# Altium PCB Audio-Streamer-Mainboard.PcbDoc (part 7 of 7)
Units mm, origin at the board's own origin, x right, y up, seen from the top; angles counter-clockwise.
Board outline 180 x 270 mm, 4 copper layers (Top Layer, VCC, GND, Bottom Layer), stack 1.62 mm thick; 653 components, 499 nets, 2423 pads, 1617 vias.
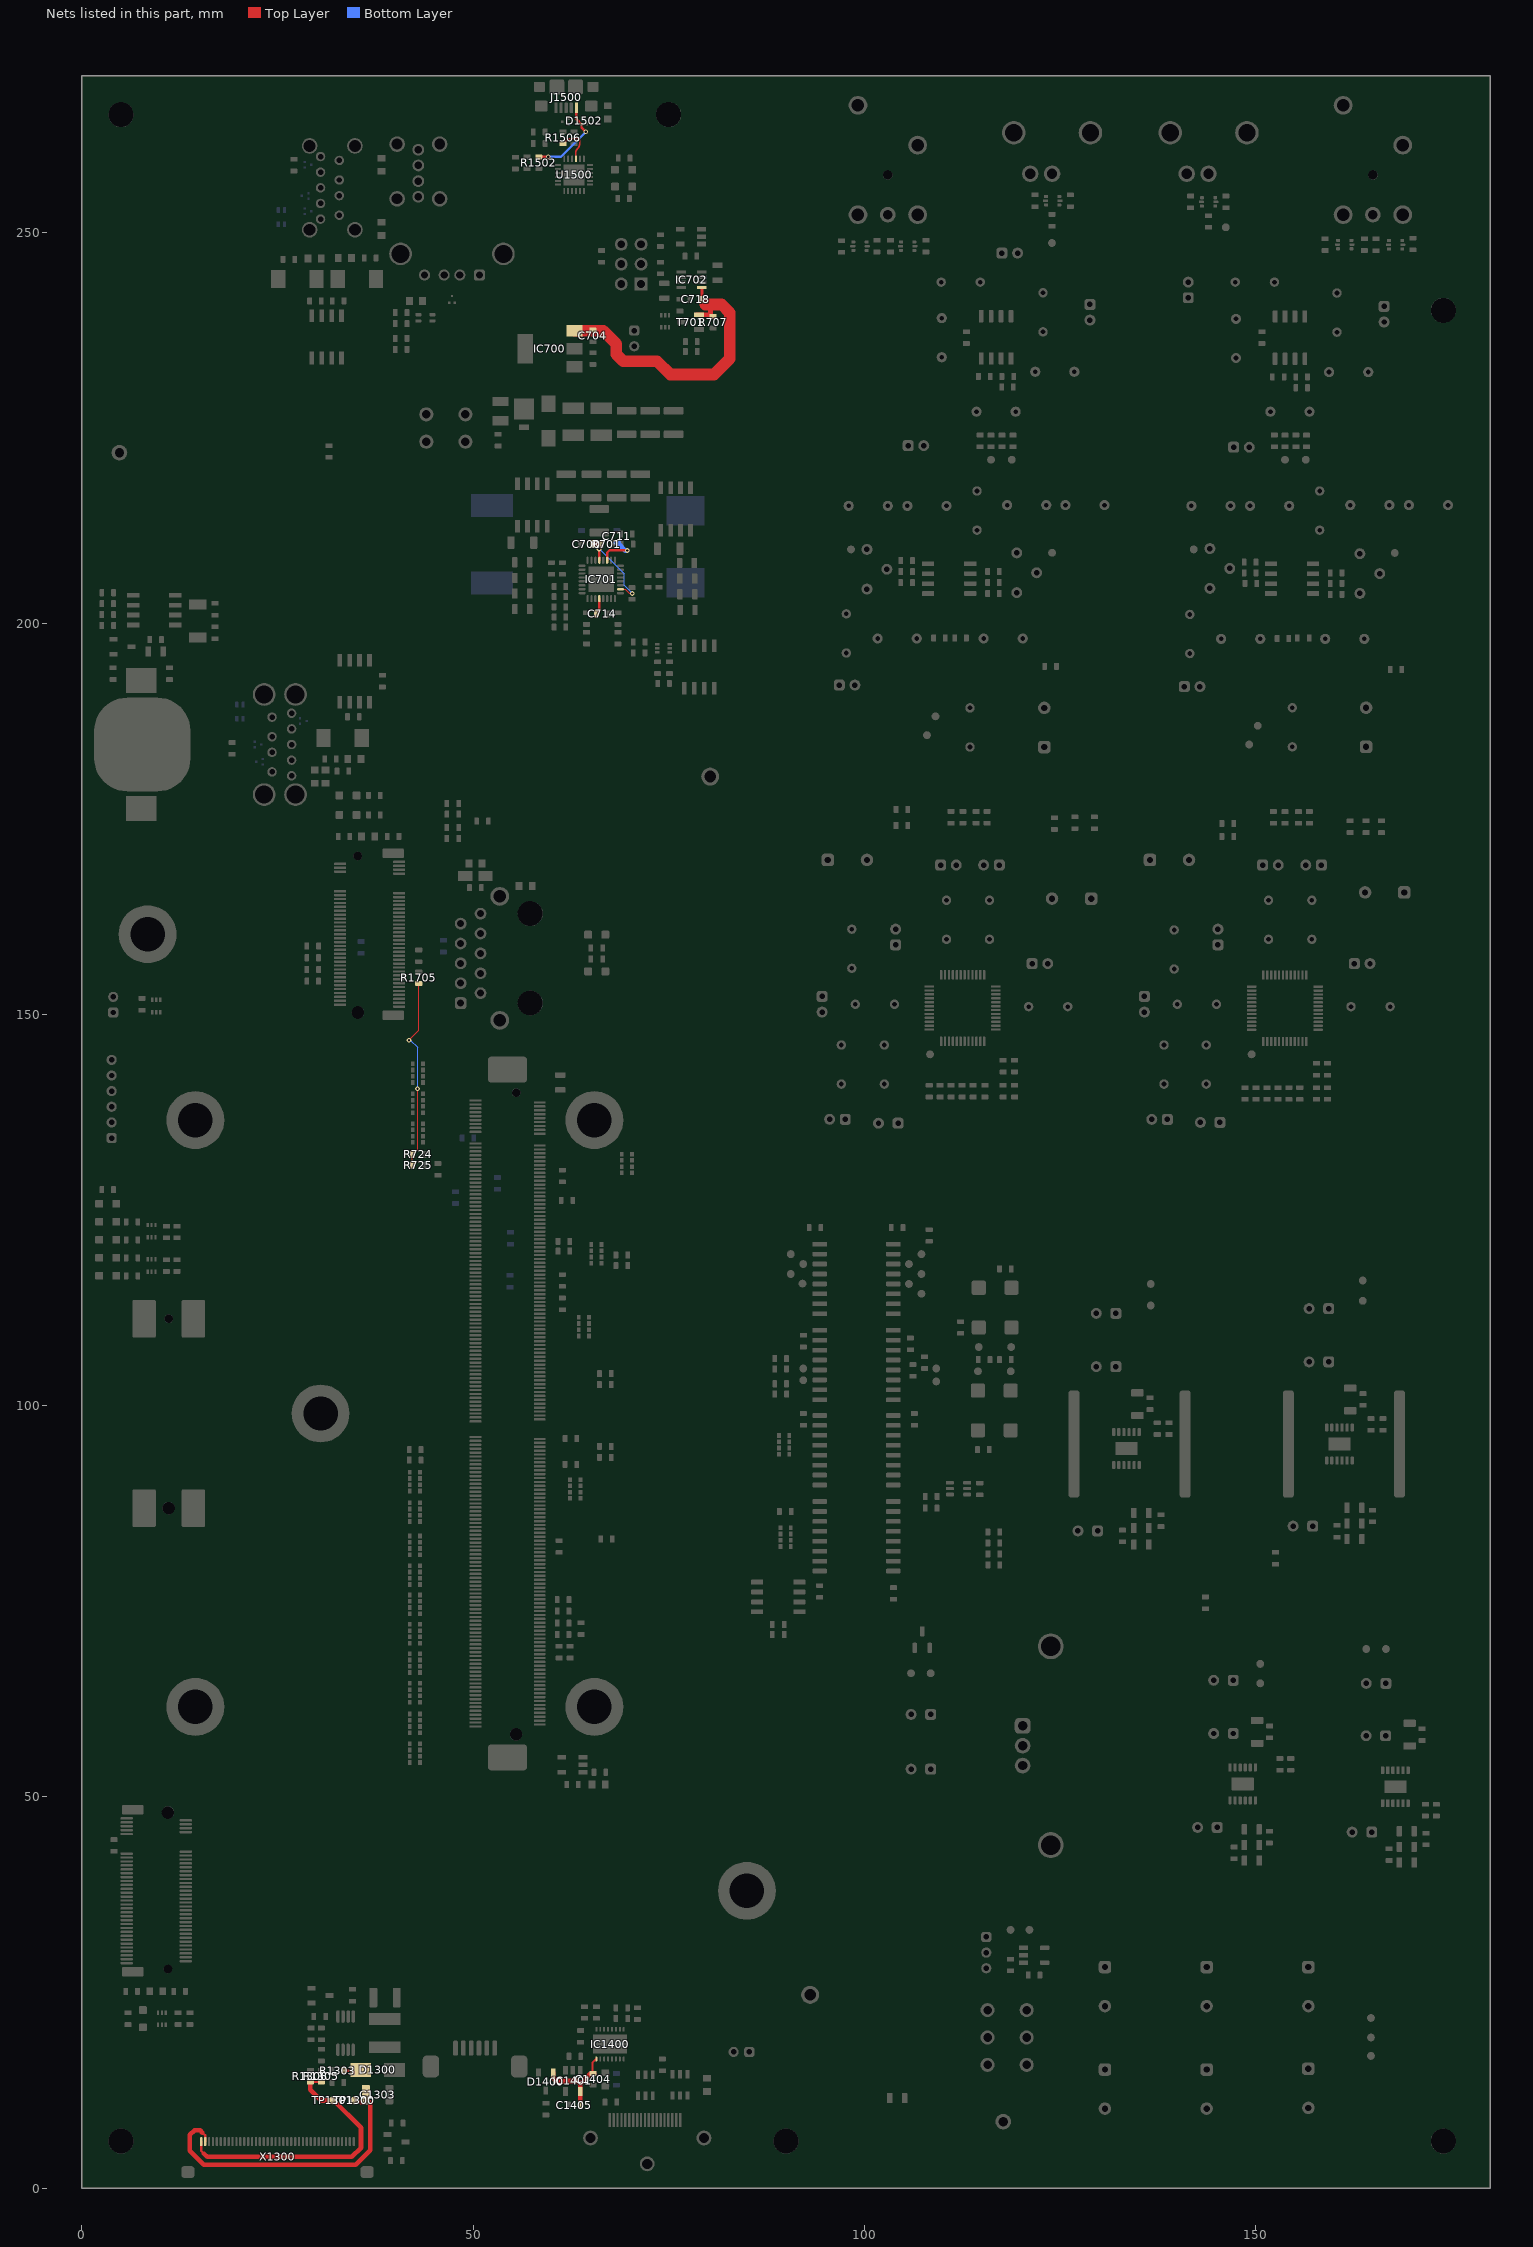
[diagram p9: the nets of this part, all layers, seen from the top]

## Via types
v1: diameter 0.6, hole 0.3, Top Layer to Bottom Layer, tented both sides, 1281 vias
v2: diameter 0.6, hole 0.3, Top Layer to Bottom Layer, 336 vias

## Nets (pads, with @x,y where several pads share a name; then routed paths per layer and width w, separated by ;. In a path a pad name is that pad's centre, name@x,y a point inside that pad or via, vN(x,y) a via of type N, cw(c..) or ccw(c..) an arc to the next point about the centre after c; other vN are vias at no path point) (continued)
VCOM_P: R1506.1 U1500.3 | length 4.9
  Top Layer w0.165: R1506.1@61.5,261.3 61.896,261.697 cw(c62.387,261.206) 62.387,261.9 63.359,261.9 cw(c63.359,261.559) 63.506,261.867 cw(c63.435,261.718) 63.6,261.717 63.6,261.183 cw(c62.917,261.183) 63.4,260.7 63.241,260.541 ccw(c63.583,260.2) 63.1,260.2 63.1,259.641 ccw(c63.441,259.641) U1500.3@63.2,259.4
VCOM_VBUS: D1502.1 J1500.1 R1502.2 | length 10.9
  Top Layer w0.3: R1502.2@58.4,259.6 v1(59.6,259.6) ; J1500.1@63.2,265.875 63.2,264.43 D1502.1@63.85,263.78 63.85,263.35 v1(64.4,262.8)
  Bottom Layer w0.3: v1(59.6,259.6) 61.2,259.6 v1(64.4,262.8)
VDD_CEC: C1404.2 C1405.2 D1400.1 IC1400.9 IC1401.5 | length 11.8
  Top Layer w0.25: C1404.2@65.5,14.65 65.575,14.65 65.25,14.975 65.25,16.005 IC1400.9@65.75,16.505
  Top Layer w0.6: D1400.1@60.25,14.765 60.25,14.051 60.601,13.7 63.3,13.7 63.7,13.3 ; C1405.2@63.7,10.605 63.7,12.1 IC1401.5@63.7,12.351 63.7,13.3 ; C1404.2@65.5,14.65 65.049,14.65 63.7,13.3
VLED_A: C1303.2 D1300.1 R1303.2 TP1300.1 X1300.2 | length 40.3
  Top Layer w0.3: 15.4,7.1 15.75,6.75 X1300.2@15.75,5.95 ; R1303.2@33.475,15.005 35.55,15.005 D1300.1@35.65,15.105
  Top Layer w0.6: 15.4,7.1 15.1,7.4 14.4,7.4 13.8,6.8 13.8,4.778 15.578,3 35,3 36.85,4.85 36.85,10.88 36.412,11.317 C1303.2@36.3,11.205 ; 35.65,11.005 36.1,11.005 C1303.2@36.3,11.205 ; C1303.2@36.3,11.955 C1303.2@36.3,11.205
VLED_K: R1305.2 R1306.2 TP1301.1 X1300.1 | length 35.8
  Top Layer w0.3: X1300.1@15.25,5.95 15.25,4.757 15.607,4.4 ; R1306.2@29.2,13.555 R1305.2@30.6,13.555
  Top Layer w0.6: 15.607,4.4 16.007,4 34.5,4 35.675,5.175 35.675,7.688 TP1301.1@32.104,11.259 ; R1306.2@29.2,13.555 29.2,12.555 30.55,11.205 TP1301.1@32.05,11.205
VREF2: C714.2 IC701.4 | length 2.1
  Top Layer w0.3: C714.2@65.75,201.2 65.75,201.35 65.9,201.5 65.954,201.5 66.129,201.676 IC701.4@66.129,203.15
VREG3: C711.2 IC701.19 | length 5.5
  Top Layer w0.3: IC701.19@67.129,208.05 67.129,209.013 67.466,209.35 69.428,209.35 69.43,209.347 69.642,209.347 v1(69.7,209.29)
  Bottom Layer w0.6: C711.2@68.379,210.35 68.529,210.35 68.529,210.2 69.439,209.29 v1(69.7,209.29)
VREG5: C700.2 IC701.10 IC701.21 R701.2 | length 12.2
  Top Layer w0.15: IC701.10@68.829,204.35 69.42,204.35 69.96,203.81 v1(70.35,203.81)
  Top Layer w0.3: IC701.21@66.129,208.05 v1@66.129,209.5 ; R701.2@66.129,209.729 66.35,209.95 R701.2@66.35,210.1
  Top Layer w0.6: C700.2@65.25,210.1 R701.2@66.35,210.1
  Bottom Layer w0.15: v1(66.1,209.5) 69.3,206.3 69.3,204.86 v1(70.35,203.81)
VSTB: C704.2 C718.2 IC700.3 IC702.1 R707.2 T701.2 | length 41.2
  Top Layer w0.4: C718.2@79.185,241.4 79.245,241.46 IC702.1@79.245,242.925
  Top Layer w0.6: IC700.3@62.95,237.382 63.05,237.482 C704.2@65.3,237.482 ; T701.2@78.535,239.434 T701.2@78.885,239.434 R707.2@80.335,239.434 ; C718.2@79.185,241.215 C718.2@79.185,241.4 ; 79.66,240.74 80.335,240.065 R707.2@80.335,239.434 ; R707.2@80.685,239.234 80.535,239.234 R707.2@80.335,239.434
  Top Layer w1.5: IC700.3@62.95,237.382 66.618,237.382 68.299,235.701 68.299,234.379 69.178,233.5 73.5,233.5 75.2,231.8 80.8,231.8 82.8,233.8 82.8,239.7 81.76,240.74 79.66,240.74
WAKE1_MICO#: R724.1 R725.2 R1705.1 | length 24.6
  Top Layer w0.15: v1(41.8,146.713) 43.05,147.963 R1705.1@43.05,153.95 ; R725.2@42.25,130.75 R724.1@42.25,132.121 42.25,132.258 42.475,132.483 42.612,132.483 42.9,132.771 v1(42.9,140.5)
  Bottom Layer w0.15: v1(41.8,146.713) 41.987,146.713 42.9,145.8 v1(42.9,140.5)
pads on no net: D1400.2 D1401.5 D1402.5 D1502.2 IC704.4 IC1001.5 IC1001.6 IC1400.2 IC1400.15 IC1401.4 J202.3 J300_A. J300_B. J301_A.0 J301_B.0 J1500.4 MECH600. RA700.1 RA700.5 RA800.1 RA800.2 RA800.5 RA800.6 RA1307.1 RA1307.2 RA1307.3 RA1307.5 RA1307.6 RA1307.7 RA1400.3 RA1400.4 RA1400.7 RA1400.8 RA1804.3 RA1804.4 RA1804.7 RA1804.8 T702.3 T702.4 T702.5 T705.3 T705.4 T705.5 T1800.3 T1800.4 T1800.5 U200.4 U301_A.10 U301_A.11 U301_A.18 U301_B.10 U301_B.11 U301_B.18 U302_A.1 U302_A.5 U302_A.7 U302_B.1 U302_B.5 U302_B.7 U400.10 U1200.3 U1200.5 U1200.6 U1500.1 U1500.7 U1500.16 U1500.17 U1500.18 U1500.19 U1500.20 U1500.21 U1500.22 U1500.23 U1500.24 VR201.7 X1. X1.12 X1.14 X1.16 X1.18 X1.59 X1.61 X1.65 X1.67 X1.71 X1.73 X1.77 X1.79 X1.83 X1.85 X1.87 X1.89 X1.91 X1.95 X1.97 X1.99 X1.101 X1.103 X1.107 X1.109 X1.113 X1.115 X1.119 X1.121 X1.123 X1.125 X1.127 X1.131 X1.133 X1.135 X1.137 X1.139 X1.143 X1.144 X1.145 X1.146 X1.148 X1.149 X1.150 X1.151 X1.154 X1.155 X1.157 X1.158 X1.159 X1.160 X1.161 X1.162 X1.163 X1.164 X1.173 X1.175 X1.177 X1.179 X1.180 X1.181 X1.183 X1.184 X1.185 X1.187 X1.190 X1.193 X1.195 X1.197 X1.202 X1.208 X1.210 X1.212 X1.214 X1.215 X1.216 X1.217 X1.252 X1.254 X1.258 X1.260 X1.264 X1.266 X1.270 X1.272 X1.276 X1.278 X1.282 X1.284 X1.288 X1.290 X1.294 X1.296 X1.300 X1.302 X1.305 X1.306 X1.307 X1.309 X1.310 X1.311 X1.312 X1.315 X1.316 X1.317 X1.318 X1.319 X1.321 X1.BE1 X1.BE2 X1100. X1300. X1300.35 X1300.37 X1300.38 X1300.39 X1300.40 X1301. X1400.14 X1600. X1600.0 X1600.5 X1600.6 X1600.7 X1600.8 X1600.11 X1600.13 X1600.17 X1600.19 X1600.20 X1600.22 X1600.23 X1600.24 X1600.25 X1600.26 X1600.28 X1600.29 X1600.30 X1600.31 X1600.32 X1600.34 X1600.35 X1600.36 X1600.37 X1600.40 X1600.42 X1600.44 X1600.46 X1600.48 X1600.50 X1600.52 X1600.53 X1600.54 X1600.55 X1600.57 X1600.58 X1600.67 X1600.68 X1600.69 X1700. X1700.0 X1700.17 X1700.19 X1700.20 X1700.21 X1700.22 X1700.23 X1700.24 X1700.25 X1700.26 X1700.27 X1700.28 X1700.29 X1700.30 X1700.31 X1700.32 X1700.34 X1700.36 X1700.38 X1700.40 X1700.42 X1700.44 X1700.46 X1700.48 X1700.50 X1700.59 X1700.61 X1700.62 X1700.64 X1700.65 X1700.66 X1700.67 X1700.68 X1700.70 X1700.71 X1700.73
copper on no net:
  other v1: 88,113.034

## Polygon pours and split planes (outlines as drawn)
GND on Top Layer "Top GND" (solid, remove dead copper, pour order 10): 98.5,0 0,0 0,270 86,270 86,128 98.5,128
AGND on Top Layer "Top Layer-AGND" (solid, remove dead copper, pour order 2): 86,270 180,270 180,0 98.5,0 98.5,128 86,128
no net on Top Layer "Top Layer-No Net" (solid, pour order 8): 74.46,233.6
no net on Top Layer "Top Layer-No Net 1" (solid, pour order 6): 74.6,233.738
GND on Bottom Layer "Bottom GND" (solid, remove dead copper, pour order 12): 98.5,0 0,0 0,270 86,270 85.5,269.5 85.5,128 98.5,128
AGND on Bottom Layer "Bottom Layer-AGND" (solid, remove dead copper, pour order 4): 85.5,270 180,270 180,0 99,0 99,128 85.5,128
3.3V_SW on VCC (split plane): 84,251.951 67.7,251.951 67.661,251.946 67.635,251.935 67.624,251.931 67.593,251.907 64.093,248.407 64.069,248.376 64.054,248.339 64.049,248.3 64.049,230.451 43.651,230.451 43.651,233.6 43.646,233.639 43.635,233.665 43.631,233.676 43.607,233.707 40.807,236.507 40.776,236.531 40.739,236.546 40.7,236.551 32.1,236.551 32.061,236.546 32.035,236.535 32.024,236.531 31.993,236.507 31.093,235.607 31.069,235.576 31.054,235.539 31.049,235.5 31.049,222.033 31.054,221.994 31.063,221.973 31.069,221.958 31.093,221.926 39.449,213.571 39.449,208.8 39.454,208.761 39.463,208.739 39.469,208.724 39.493,208.693 48.693,199.493 48.724,199.469 48.761,199.454 48.8,199.449 55.4,199.449 55.439,199.454 55.476,199.469 55.507,199.493 62.807,206.793 62.831,206.824 62.837,206.839 62.846,206.861 62.851,206.9 62.851,211.449 72.237,211.449 73.649,210.037 73.649,208.3 73.649,196.3 73.654,196.261 73.669,196.224 73.693,196.193 79.549,190.337 79.549,186.563 75.693,182.707 75.669,182.676 75.654,182.639 75.649,182.6 75.649,159.263 56.193,139.807 56.169,139.776 56.154,139.739 56.149,139.7 56.149,133.976 55.624,133.451 44.5,133.451 44.461,133.446 44.439,133.437 44.424,133.431 44.393,133.407 43.693,132.707 43.669,132.676 43.654,132.639 43.649,132.6 43.649,131.6 43.654,131.561 43.669,131.524 43.693,131.493 44.293,130.893 44.324,130.869 44.339,130.863 44.361,130.854 44.4,130.849 55.437,130.849 56.149,130.137 56.149,112.84 56.154,112.801 56.169,112.765 56.193,112.733 58.133,110.793 58.165,110.769 58.201,110.754 58.24,110.749 66.626,110.749 66.666,110.754 66.687,110.763 66.702,110.769 66.733,110.793 70.457,114.517 70.481,114.548 70.485,114.559 70.496,114.584 70.501,114.624 70.501,120.587 80.063,130.149 84,130.149 84,126.5 96.5,126.5 96.5,0.51 0.51,0.51 0.51,269.49 84,269.49
A+5V on VCC (split plane): 169.4,172.122 169.452,172.082 169.513,172.056 169.578,172.048 176.948,172.048 176.948,94.552 148.152,94.552 148.152,109.796 167.478,129.122 167.518,129.174 167.544,129.235 167.552,129.3 167.552,152.548 167.544,152.613 167.518,152.674 167.478,152.726 165.026,155.178 164.974,155.218 164.913,155.244 164.848,155.252 157.4,155.252 157.335,155.244 157.274,155.218 157.222,155.178 155.796,153.752 146.804,153.752 146.278,154.278 146.226,154.318 146.165,154.344 146.1,154.352 134.748,154.352 134.683,154.344 134.622,154.318 134.592,154.296 134.57,154.278 134.296,154.004 89.552,154.004 89.552,177.848 163.674,177.848
CHGND on VCC (split plane): 179.49,0.51 99.5,0.51 99.5,126.5 99.5,129.5 87,129.5 87,130.149 87.7,130.149 87.739,130.154 87.776,130.169 87.807,130.193 87.831,130.224 87.846,130.261 87.851,130.3 87.846,130.339 87.831,130.376 87.807,130.407 87.776,130.431 87.739,130.446 87.7,130.451 87,130.451 87,251.649 87.6,251.649 87.639,251.654 87.676,251.669 87.707,251.693 87.731,251.724 87.746,251.761 87.751,251.8 87.746,251.839 87.731,251.876 87.707,251.907 87.676,251.931 87.639,251.946 87.6,251.951 87,251.951 87,269.49 179.49,269.49
V_SUPPLY_FILT on VCC (split plane): 78.349,217.863 72.237,211.751 62.763,211.751 54.007,220.507 53.976,220.531 53.939,220.546 53.9,220.551 43.963,220.551 42.551,221.963 42.551,229.137 43.563,230.149 78.349,230.149
5V_SW on VCC (split plane): 43.349,233.537 43.349,230.363 42.293,229.307 42.269,229.276 42.254,229.239 42.249,229.2 42.249,221.9 42.254,221.861 42.263,221.839 42.269,221.824 42.293,221.793 43.793,220.293 43.824,220.269 43.861,220.254 43.9,220.249 53.837,220.249 62.549,211.537 62.549,206.963 55.337,199.751 48.863,199.751 39.751,208.863 39.751,213.633 39.746,213.672 39.737,213.694 39.731,213.709 39.707,213.74 31.351,222.096 31.351,235.437 32.163,236.249 40.637,236.249
3.3V on VCC (split plane): 84,130.451 80,130.451 79.961,130.446 79.924,130.431 79.893,130.407 70.243,120.757 70.219,120.726 70.204,120.689 70.199,120.65 70.199,114.686 66.564,111.051 58.303,111.051 56.451,112.903 56.451,130.2 56.446,130.239 56.431,130.276 56.407,130.307 55.607,131.107 55.576,131.131 55.539,131.146 55.5,131.151 44.463,131.151 43.951,131.663 43.951,132.537 44.563,133.149 55.687,133.149 55.726,133.154 55.747,133.163 55.762,133.169 55.794,133.193 56.407,133.806 56.431,133.838 56.446,133.874 56.451,133.913 56.451,139.637 75.907,159.093 75.931,159.124 75.946,159.161 75.951,159.2 75.951,182.537 79.807,186.393 79.831,186.424 79.846,186.461 79.851,186.5 79.851,190.4 79.846,190.439 79.831,190.476 79.807,190.507 73.951,196.363 73.951,208.3 73.951,210.1 73.946,210.139 73.931,210.176 73.907,210.207 72.514,211.6 78.607,217.693 78.631,217.724 78.646,217.761 78.651,217.8 78.651,230.3 78.646,230.339 78.631,230.376 78.607,230.407 78.576,230.431 78.539,230.446 78.5,230.451 64.351,230.451 64.351,248.237 67.763,251.649 84,251.649
A+12V on VCC (split plane): 103.848,259.4 103.856,259.335 103.882,259.274 103.922,259.222 103.974,259.182 104.035,259.156 104.1,259.148 122.548,259.148 122.548,246.904 116.822,241.178 116.782,241.126 116.756,241.065 116.748,241 116.748,233.6 116.756,233.535 116.782,233.474 116.822,233.422 121.948,228.296 121.948,217.104 117.672,212.828 110.996,206.152 100.9,206.152 100.835,206.144 100.774,206.118 100.744,206.096 100.722,206.078 96.522,201.878 96.482,201.826 96.456,201.765 96.448,201.7 96.448,192 96.456,191.935 96.482,191.874 96.522,191.822 98.222,190.122 98.244,190.104 98.274,190.082 98.335,190.056 98.4,190.048 109.596,190.048 112.722,186.922 112.774,186.882 112.835,186.856 112.9,186.848 134.5,186.848 134.5,259.148 154.648,259.148 154.648,233.6 154.656,233.535 154.682,233.474 154.722,233.422 159.848,228.296 159.848,211.104 151.896,203.152 142,203.152 141.935,203.144 141.874,203.118 141.822,203.078 140.522,201.778 140.482,201.726 140.456,201.665 140.448,201.6 140.448,192.16 140.456,192.095 140.482,192.034 140.522,191.982 146.682,185.822 146.734,185.782 146.795,185.756 146.86,185.748 176.1,185.748 176.165,185.756 176.226,185.782 176.278,185.822 176.948,186.491 176.948,172.552 169.683,172.552 163.957,178.278 163.904,178.318 163.844,178.344 163.778,178.352 89.552,178.352 89.552,260.548 103.848,260.548
-15V on VCC (split plane): 176.948,3.052 102.041,3.052 102.041,18.998 165.85,18.998 165.915,19.006 165.976,19.032 166.028,19.072 168.378,21.422 168.396,21.444 168.418,21.474 168.444,21.535 168.452,21.6 168.452,36.1 168.444,36.165 168.418,36.226 168.378,36.278 167.778,36.878 160.552,44.104 160.552,49.691 162.109,51.248 176.948,51.248
+15V on VCC (split plane): 170.748,84.004 167.296,80.552 151.4,80.552 151.335,80.544 151.274,80.518 151.222,80.478 140.422,69.678 140.382,69.626 140.356,69.565 140.348,69.5 140.348,56.3 140.356,56.235 140.382,56.174 140.422,56.122 145.043,51.5 145.096,51.46 145.156,51.435 145.222,51.426 154.078,51.426 154.144,51.435 154.204,51.46 154.257,51.5 155.604,52.848 156.891,52.848 160.048,49.691 160.048,44 160.056,43.935 160.082,43.874 160.122,43.822 167.422,36.522 167.948,35.996 167.948,21.704 165.746,19.502 102.041,19.502 102.041,56.748 112.296,56.748 113.922,55.122 113.944,55.104 113.974,55.082 114.035,55.056 114.1,55.048 130.548,55.048 130.548,47.3 130.556,47.235 130.582,47.174 130.622,47.122 140.122,37.622 140.174,37.582 140.235,37.556 140.3,37.548 140.365,37.556 140.426,37.582 140.478,37.622 140.518,37.674 140.544,37.735 140.552,37.8 140.544,37.865 140.518,37.926 140.478,37.978 131.052,47.404 131.052,55.3 131.052,72.9 131.044,72.965 131.018,73.026 130.978,73.078 121.552,82.504 121.552,94.048 170.748,94.048
A-12V on VCC (split plane): 176.948,51.752 162.004,51.752 161.939,51.744 161.878,51.718 161.826,51.678 160.3,50.152 157.174,53.278 157.122,53.318 157.061,53.344 156.996,53.352 155.752,53.352 155.752,64.996 162.304,71.548 176.948,71.548
A+12V on VCC (split plane): 176.948,72.052 162.2,72.052 162.135,72.044 162.074,72.018 162.022,71.978 155.322,65.278 155.282,65.226 155.256,65.165 155.248,65.1 155.248,53.204 153.974,51.93 145.326,51.93 140.852,56.404 140.852,69.396 151.504,80.048 167.4,80.048 167.465,80.056 167.526,80.082 167.578,80.122 171.178,83.722 171.218,83.774 171.244,83.835 171.252,83.9 171.252,94.048 176.948,94.048
D+3.3V on VCC (split plane): 160.048,149.196 160.048,136.504 150.796,127.252 125.6,127.252 125.535,127.244 125.492,127.226 125.474,127.218 125.451,127.201 125.422,127.178 121.122,122.878 121.082,122.826 121.056,122.765 121.048,122.7 121.048,82.4 121.056,82.335 121.082,82.274 121.122,82.222 130.548,72.796 130.548,55.552 114.204,55.552 112.578,57.178 112.526,57.218 112.465,57.244 112.4,57.252 102.041,57.252 102.041,131.778 102.032,131.844 102.007,131.904 101.967,131.957 101.915,131.997 101.854,132.022 101.788,132.03 89.552,132.03 89.552,147.574 105.026,147.574 105.091,147.583 105.152,147.608 105.204,147.648 106.404,148.848 112.8,148.848 112.865,148.856 112.926,148.882 112.978,148.922 114.404,150.348 118.196,150.348 121.222,147.322 121.244,147.304 121.274,147.282 121.335,147.256 121.4,147.248 134.886,147.248 134.951,147.256 135.012,147.282 135.064,147.322 135.861,148.119 146.771,148.119 146.837,148.128 146.897,148.153 146.95,148.193 147.486,148.729 155.482,148.729 155.547,148.738 155.608,148.763 155.66,148.803 157.304,150.448 158.796,150.448
A-12V on VCC (split plane): 133.5,187.352 113.004,187.352 109.878,190.478 109.826,190.518 109.765,190.544 109.7,190.552 98.504,190.552 96.952,192.104 96.952,201.596 101.004,205.648 111.1,205.648 111.165,205.656 111.226,205.682 111.278,205.722 118.028,212.472 122.378,216.822 122.396,216.844 122.418,216.874 122.444,216.935 122.452,217 122.452,228.4 122.444,228.465 122.418,228.526 122.378,228.578 117.252,233.704 117.252,240.896 122.978,246.622 123.018,246.674 123.044,246.735 123.052,246.8 123.052,259.148 133.5,259.148
A+3.3V on VCC (split plane): 167.048,152.443 167.048,129.404 147.722,110.078 147.682,110.026 147.656,109.965 147.648,109.9 147.648,94.552 121.552,94.552 121.552,122.596 125.704,126.748 150.9,126.748 150.965,126.756 151.026,126.782 151.078,126.822 160.478,136.222 160.518,136.274 160.544,136.335 160.552,136.4 160.552,149.3 160.544,149.365 160.518,149.426 160.478,149.478 159.078,150.878 159.026,150.918 158.965,150.944 158.9,150.952 157.2,150.952 157.135,150.944 157.074,150.918 157.044,150.896 157.022,150.878 155.377,149.234 147.382,149.234 147.316,149.225 147.256,149.2 147.226,149.177 147.203,149.16 146.667,148.624 135.757,148.624 135.692,148.615 135.631,148.59 135.601,148.567 135.579,148.55 134.781,147.752 121.504,147.752 118.478,150.778 118.426,150.818 118.365,150.844 118.3,150.852 114.3,150.852 114.235,150.844 114.174,150.818 114.122,150.778 112.696,149.352 106.3,149.352 106.235,149.344 106.174,149.318 106.144,149.296 106.122,149.278 104.922,148.078 89.552,148.078 89.552,153.5 134.4,153.5 134.465,153.509 134.526,153.534 134.578,153.574 134.852,153.848 145.996,153.848 146.522,153.322 146.551,153.299 146.574,153.282 146.592,153.274 146.635,153.256 146.7,153.248 155.9,153.248 155.965,153.256 156.026,153.282 156.078,153.322 157.504,154.748 164.743,154.748
A-12V on VCC (split plane): 176.948,187.198 176.922,187.178 175.996,186.252 146.964,186.252 140.952,192.264 140.952,201.496 142.104,202.648 152,202.648 152.065,202.656 152.126,202.682 152.178,202.722 160.278,210.822 160.318,210.874 160.344,210.935 160.352,211 160.352,228.4 160.344,228.465 160.318,228.526 160.278,228.578 155.152,233.704 155.152,259.148 176.948,259.148
GND on GND (split plane): 84,126.5 96.5,126.5 96.5,0.51 0.51,0.51 0.51,269.49 84,269.49
CHGND on GND (split plane): 179.49,0.51 99.5,0.51 99.5,126.5 99.5,129.5 87,129.5 87,269.49 179.49,269.49
AGND on GND (split plane): 103.848,259.4 103.856,259.335 103.882,259.274 103.922,259.222 103.974,259.182 104.035,259.156 104.1,259.148 133.5,259.148 133.5,160 134.5,160 134.5,259.148 176.948,259.148 176.948,3.052 102.041,3.052 102.041,25.948 122.8,25.948 122.865,25.956 122.926,25.982 122.978,26.022 128.104,31.148 159.8,31.148 159.865,31.156 159.926,31.182 159.978,31.222 160.018,31.274 160.044,31.335 160.052,31.4 160.044,31.465 160.018,31.526 159.978,31.578 159.926,31.618 159.865,31.644 159.8,31.652 128,31.652 127.935,31.644 127.874,31.618 127.822,31.578 122.696,26.452 102.041,26.452 102.041,131.778 102.041,131.788 102.032,131.854 102.007,131.915 101.967,131.967 101.915,132.007 101.854,132.032 101.788,132.041 101.723,132.032 101.719,132.03 89.552,132.03 89.552,147.548 105,147.548 105.065,147.556 105.126,147.582 105.178,147.622 106.404,148.848 110.9,148.848 110.965,148.856 111.026,148.882 111.078,148.922 111.118,148.974 111.144,149.035 111.152,149.1 111.144,149.165 111.118,149.226 111.078,149.278 111.026,149.318 110.965,149.344 110.9,149.352 106.3,149.352 106.235,149.344 106.174,149.318 106.122,149.278 104.896,148.052 89.552,148.052 89.552,260.548 103.848,260.548

## Keep-outs
Bottom Layer:
  lines w0.3: 106.7,149.1 112.8,149.1 114.3,150.6 118.3,150.6 121.318,147.582 121.318,147.5 ; 148.3,149 155.427,149 157.127,150.7 158.924,150.7 160.3,149.324 160.3,147.5
Keep-Out Layer:
  circle w0.1: c174,6 r3
  circle w0.1: c174,240 r3
  circle w0.1: c75,265 r3
  circle w0.1: c5,265 r3
  circle w0.1: c5,6 r3
  circle w0.1: c90,6 r3
  region: 99.35,126.5 99.35,129.35 84,129.35 84,126.5
  rectangle: 96.5,0 99.35,129.35
  rectangle: 84,126.5 86.85,270
  lines w0.3: 89.4,147.8 105.213,147.8 106.513,149.1 107.2,149.1 ; 121.218,147.6 121.318,147.5 134.886,147.5 135.757,148.371 146.771,148.371 147.4,149 148.3,149
  lines w0.5: 140.3,37.8 130.8,47.3 130.8,72.9 121.3,82.4 121.3,122.7 125.6,127 150.9,127 160.3,136.4 160.3,148 ; 0,0 180,0 180,270 0,270 0,0

## Other copper
Top Layer:
  rectangle net GND: 38.8,10.605 42,13.43
  rectangle net GND: 34.475,20.105 36.1,22.855
  rectangle net GND: 41.7,10.605 43.3,25.7
  rectangle net GND: 39.75,23.005 42.45,25.718
  rectangle net GND: 28.871,184.05 31.771,186.65
  rectangle net GND: 23.1,242.7 26,245.3
  region net GND: 29.67,240.3 28,240.3 28,238.4 29.67,238.4
  rectangle net GND: 35.6,242.7 38.5,245.3
  rectangle net GND: 56.6,200.7 58.624,208.576
  rectangle net GND: 53.5,233.082 57.7,237
  rectangle net GND: 57.2,208.45 58.5,211.25
  rectangle net GND: 60.3,213.4 73.1,217.4
  rectangle net GND: 71.9,200.1 76.2,203.81
  rectangle net GND: 75.7,200.1 77.2,210.4
  rectangle net GND: 65,222.3 78.5,225.8
  rectangle net 5V_SW: 32.9,232.9 35.6,234.8
  rectangle net 3.3V_mSATA1: 11.9,28.7 14.1,29.7
  rectangle net 3.3V_mSATA1: 12,46.3 14.1,47.2
  rectangle net 3.3V_mSATA1: 11.8,31.3 14.1,33.2
  rectangle net 3.3V_SW: 60.8,259.3 62.225,259.8
  rectangle net 3.3V_SW: 74.324,187.4 76.9,191.3
  rectangle net 3.3V_SW: 76.4,187.4 81.4,192.9
  rectangle net NetIC701_23: 54,209.49 56.1,213.3
  rectangle net NetC719_1: 55.1,213.6 58.6,216.6
  rectangle net NetIC701_18: 72.669,208.7 74.3,212.8
  rectangle net V_SUPPLY_FILT: 64.7,211 67.61,213
  rectangle net 3.3V: 77.8,196 83.5,209.1
  rectangle net NetC705_1: 73.46,213.1 79.6,216.1
  rectangle net NetC705_1: 73.5,215.2 75.8,218.3
  rectangle net 5V_SW: 49.5,200.7 55.9,209.2
  rectangle net NetC719_1: 49.7,216.2 57.3,219.5
  rectangle net V_SUPPLY_FILT: 57.8,216.9 60,218.8
  rectangle net V_SUPPLY_FILT: 76,216.4 78.5,219.2
  rectangle net PWR_IN: 43,224.9 51.7,228.5
  rectangle net GND_IN: 55.1,222.3 64.3,225.5
  rectangle net NetD601_1: 52.2,227.3 55.5,230.3
  rectangle net NetD601_1: 55.1,226 64.4,230.3
  rectangle net V_SUPPLY_FILT: 72.4,218.5 78.5,222
  rectangle net V_SUPPLY_FILT: 65,226.6 78.5,230.3
  rectangle net V_SUPPLY_FILT: 57.8,217.9 72.744,222
  rectangle net AGND: 133.975,100.42 137.175,108.32
  rectangle net AGND: 128.873,106.22 134.275,108.32
  rectangle net AGND: 127.275,93.22 130.975,105.31
  rectangle net AGND: 154,81 155.8,85.5
  rectangle net AGND: 154.5,93.8 158.2,105.89
  rectangle net AGND: 156.098,106.8 161.5,108.9
  rectangle net AGND: 161.2,101 164.4,108.9
  rectangle net AGND: 160.414,52.447 165.314,58.2
  rectangle net AGND: 168.614,58.247 171.814,60.547
  rectangle net AGND: 163.514,58.897 171.814,61.047
  rectangle net A+12V: 145.706,64.2 149.181,72.4
  rectangle net AGND: 144,59.25 152.3,61.4
  rectangle net AGND: 149.1,58.6 152.3,60.9
  rectangle net AGND: 140.9,52.8 145.8,58.6
  rectangle net CHGND: 101.3,10.25 103.8,12.8
  rectangle net A+12V: 141.986,70.7 146.3,74.5
  rectangle net +15V: 128.825,79.92 134.875,83.02
  rectangle net AGND: 135.991,81.254 138.691,85.054
  rectangle net NetC231_1: 135.991,85.579 138.691,87.054
  rectangle net AGND: 128.825,93.22 138.125,95.82
  rectangle net NetC221_P: 151.45,80.95 153.7,87
  rectangle net NetC221_P: 151.45,85.812 156.4,87.94
  rectangle net +15V: 156.1,80.5 162.1,83.6
  rectangle net AGND: 163.216,81.834 165.916,85.634
  rectangle net NetC224_1: 163.216,86.159 165.916,87.634
  rectangle net NetC203_1: 150.093,45.062 152.793,46.537
  rectangle net NetC216_1: 169.9,44.825 172.6,46.3
  rectangle net AGND: 150.093,40.737 152.793,44.537
  rectangle net +15V: 145.593,37.837 148.918,42.537
  rectangle net -15V: 165.4,37.6 168.725,42.3
  rectangle net AGND: 169.9,40.5 172.6,44.3
  rectangle net AGND: 156.05,93.8 165.35,96.4
  rectangle net AGND: 140.8,44.706 143.7,52.905
  rectangle net AGND: 160.6,44.4 163.5,52.6
  rectangle net AGND: 143.686,50.353 152.986,52.953
  rectangle net AGND: 163.2,50 172.5,52.6
  rectangle net A+12V: 170.1,74.1 177,179.8
  region net CHGND: 179.43,269.5 87,269.5 87,267.5 179.43,267.5
  region net CHGND: 89,129.57 89,269.5 87,269.5 87,129.57
  region net CHGND: 101.5,131.5 87,131.5 87,129.5 101.5,129.5
  region net CHGND: 101.5,0.57 101.5,131.5 99.5,131.5 99.5,0.57
  rectangle net CHGND: 99.5,0.5 179.5,2.5
  rectangle net CHGND: 177.5,0.5 179.5,269.5
  region: 76.625,244.225
  region: 28.75,158.75
  region: 91.7,73.645
  region net 3.3V_SW: 34.175,21.1 34.275,21.2 34.275,23.1 36.3,23.1 36.3,20.755 40.8,20.755 40.8,22.5 38.5,22.5 38.5,25.9 35.5,25.9 35.5,24.847 35.153,24.5 34.195,24.5 33.8,24.105 33.8,21.2 33.9,21.1
  region net VLED_A: 37.1,10.83 37.1,16.005 36.9,16.205 34.35,16.205 34.2,16.055 34.2,10.805 34.4,10.605 36.92,10.605
  region: 36.9,11.105
  region net DCDC_SW_B: 34.4,16.855 37.98,16.855 38.25,16.585 38.25,14.305 38.75,13.805 41.5,13.805 41.5,19.105 34.4,19.105
  pour cut-out: 72.952,217.4 75.6,214.752 76.897,214.752 78.5,213.149 78.5,200.85 77.35,199.7 71.445,199.7 69.7,201.445 69.655,201.4 63.5,201.4 63.5,198.95 62.6,198.05 57.35,198.05 56.2,199.2 56.2,200.3 54,202.5 54,213.3 54.8,213.3 55.9,214.4 55.9,219.5 72.952,219.5
  region net GND: 68,207.7 68.129,207.7 68.285,207.7 71.35,207.7 72.3,208.65 72.3,208.877 72.46,209.037 72.46,212.96 72.9,213.4 72.9,213.6 68,213.6 68,212.699 68.299,212.4 70.46,212.4 71.089,211.77 71.089,208.69 70.7,208.3 68.75,208.3 68.55,208.5 68.1,208.5 68,208.4
  region net GND: 64.403,213.6 60.3,213.6 60.3,209.65 61.65,208.3 62.6,208.3 63.2,207.7 64.4,207.7 64.5,207.6 64.7,207.6 64.8,207.7 64.8,208.4 64.7,208.5 63.6,208.5 62.4,209.7 62.4,210.424 62.876,210.9 63.726,210.9 64.4,211.574
  region net GND_IN: 43,224.5 50.9,224.5 52.1,223.3 54.36,223.3 55.674,224.614 55.674,222.424 54.85,221.6 43,221.6
  region net PWR_IN: 51,226.9 54.7,226.9 54.7,224.3 54.1,223.7 52.4,223.7 51,225.1 51,225.2
  pour cut-out: 134.5,267.2 134.5,147.552 133.5,147.552 133.5,267.2
  pour cut-out: 107.319,156.018 117.819,156.018 117.819,145.518 107.319,145.518
  pour cut-out: 148.5,156 159,156 159,145.5 148.5,145.5
  pour cut-out: 128.425,108.66 137.525,108.66 137.525,97.22 136.525,96.22 136.525,93.62 135.32,92.414 129.331,92.414 128.825,92.92 128.825,104.12 128.425,104.52
  pour cut-out: 155.7,109.24 164.8,109.24 164.8,97.8 163.8,96.8 163.8,94.2 162.595,92.995 156.606,92.995 156.1,93.5 156.1,104.7 155.7,105.1
  region net A+3.3V: 131.2,109.663 137.7,109.663 137.7,113.063 137.7,113.813 131.2,113.813
  region net A+3.3V: 131.139,106.02 133.239,106.02 133.239,98.417 132.739,97.917 132.739,96.067 131.139,96.067
  region net NetC236_1: 134.275,96.12 134.275,97.52 133.975,97.82 133.975,99.92 137.175,99.92 137.175,98.57 136.025,97.42 134.975,97.42 134.691,97.136 134.691,96.12
  region net NetC227_1: 161.5,96.7 161.5,98.1 161.2,98.4 161.2,100.5 164.4,100.5 164.4,99.15 163.25,98 162.2,98 161.916,97.716 161.916,96.7
  region net A+5V: 158.364,106.6 160.464,106.6 160.464,98.997 159.964,98.497 159.964,96.647 158.364,96.647
  pour cut-out: 163.314,61.247 172.009,61.247 172.019,61.237 172.019,50.178 172.05,50.147 170.726,50.147 169.626,49.047 163.814,49.047 163.814,45.387 163.757,45.33 162.914,45.33 162.914,57.847 163.314,58.247
  pour cut-out: 143.8,61.6 152.495,61.6 152.505,61.59 152.505,50.531 152.536,50.5 151.213,50.5 150.113,49.4 144.3,49.4 144.3,45.74 144.243,45.684 143.4,45.684 143.4,58.2 143.8,58.6
  region net A-12V: 165.514,58.732 167.614,58.732 167.614,55.197 167.114,54.697 167.114,52.847 165.514,52.847
  region net NetC219_1: 168.614,57.647 171.814,57.647 171.814,55.401 170.76,54.347 169.314,54.347 169.064,54.097 169.064,52.847 168.614,52.847
  region net NetC206_1: 149.125,58 152.3,58 152.3,55.754 151.246,54.7 149.8,54.7 149.55,54.45 149.55,53.25 149.125,53.25
  region net A+12V: 146,59.085 148.1,59.085 148.1,55.55 147.6,55.05 147.6,53.2 146,53.2
  region net A+12V: 145.786,67.855 152.031,74.1 171.5,74.1 171.5,83.8 171.6,83.9 170.925,83.9 167.325,80.3 151.4,80.3 141.986,70.886 141.986,67.855
  region net A+5V: 158.4,110.263 164.9,110.263 164.9,113.663 164.9,114.413 158.4,114.413
  region net NetC228_P: 129.1,87.7 125.5,87.7 123.3,85.5 123.3,81.05 129.45,74.9 144.65,74.9 144.65,77.95 144.3,78.3 129.8,78.3 126,82.1 126,84.7 126.7,85.4 129.1,85.4
  region net NetC228_P: 131.675,92.92 133.325,92.92 133.375,92.87 133.375,88.62 134.841,87.154 134.841,83.72 131.425,83.72 130.975,83.27 128.875,83.27 128.875,92.92
  region net NetC228_P: 134.841,85.704 134.841,83.72 134.691,83.72 132.65,83.72 132.516,83.854 132.516,85.704
  region net AGND: 169.4,58.6
  region net NetC221_P: 158.9,93.5 160.55,93.5 160.6,93.45 160.6,89.2 162.066,87.734 162.066,84.3 158.65,84.3 158.2,83.85 156.1,83.85 156.1,93.5
  region net NetC221_P: 162.066,86.284 162.066,84.3 161.916,84.3 159.875,84.3 159.741,84.434 159.741,86.284
  region net NetC200_P: 148.943,45.187 148.943,43.203 148.793,43.203 146.752,43.203 146.618,43.337 146.618,45.187
  region: 169.9,41
  region net NetC213_P: 168.75,44.95 168.75,42.966 168.6,42.966 166.559,42.966 166.425,43.1 166.425,44.95
  region net A+12V: 170.2,172.4 170.005,172.4 167.049,175.356 167.049,178.349 168.5,179.8 170.225,179.8
  region net NetC200_P: 148.23,50.05 148.23,46.605 148.95,46.605 149.05,46.506 149.05,45.256 148.8,45.006 144.678,45.006 144,45.684 144,49.58 144.47,50.05
  region net NetC213_P: 167.1,49.7 167.1,47 167.8,46.3 168.65,46.3 168.75,46.2 168.75,44.95 168.5,44.7 164.378,44.7 163.7,45.378 163.7,49.275 164.125,49.7
  region net AGND: 168.85,193.644 169.199,193.3 170.531,193.3 170.75,193.519 170.75,194.684 170.465,194.969 169.275,194.969 168.85,194.544
  region net AGND: 124.7,194.05 125.132,193.625 126.3,193.625 126.6,193.925 126.6,195.09 126.315,195.375 125.125,195.375 124.7,194.95
  region net A+5V: 105.7,175.75 106.132,175.325 107.3,175.325 107.6,175.625 107.6,176.79 107.315,177.075 106.125,177.075 105.7,176.65
  region net AGND: 105.7,173.7 106.132,173.275 107.3,173.275 107.6,173.575 107.6,174.74 107.315,175.025 106.125,175.025 105.7,174.6
  region net A+5V: 128.95,173.6 128.525,173.168 128.525,172 128.825,171.7 129.99,171.7 130.275,171.985 130.275,173.175 129.85,173.6
  region net A+5V: 127.35,175.4 127.775,175.832 127.775,177 127.475,177.3 126.31,177.3 126.025,177.015 126.025,175.825 126.45,175.4
  region net AGND: 124.74,175.3 125.165,175.732 125.165,176.9 124.865,177.2 123.7,177.2 123.415,176.915 123.415,175.725 123.84,175.3
  region net A+5V: 164.575,174.9 165,175.332 165,176.5 164.7,176.8 163.535,176.8 163.25,176.515 163.25,175.325 163.675,174.9
  region net AGND: 162.05,174.444 161.75,174.444 161.306,174 160.15,174 160.032,174.118 160.032,175.325 160.25,175.544 162.05,175.544 162.55,175.044 162.55,174.655
  region net A+5V: 166.15,173.556 166.45,173.556 166.894,174 168.05,174 168.168,173.882 168.168,172.675 167.95,172.456 166.15,172.456 165.65,172.956 165.65,173.345
  region net A+5V: 147.275,174.85 147.425,175 148.981,175 149.181,174.8 149.181,173.6 148.981,173.4 147.472,173.4 146.9,173.972 146.9,174.4
  region net AGND: 146.9,172.7 146.9,172.4 146.456,171.956 146.456,170.8 146.575,170.682 147.782,170.682 148,170.9 148,172.7 147.5,173.2 147.111,173.2
Bottom Layer:
  rectangle net 5V_SW: 49.5,200.7 55.3,203.2
  rectangle net 3.3V: 74.6,202.2 82.2,208.2
  rectangle net 5V_SW: 49.5,203.6 55.3,209.6
  rectangle net NetC719_1: 49.5,213.5 55.3,219.5
  rectangle net A-12V: 167.7,179.7 170.9,182
  rectangle net A-12V: 170.1,67 177,191.9
  rectangle net CHGND: 177.5,0.5 179.5,269.5
  rectangle net CHGND: 99.5,0.5 177.5,2.5
  region net CHGND: 101.5,0.57 101.5,131.5 99.5,131.5 99.5,0.57
  region net CHGND: 101.5,131.5 87,131.5 87,129.5 101.5,129.5
  region net CHGND: 89,129.57 89,269.5 87,269.5 87,129.57
  region net CHGND: 179.43,269.5 87.5,269.5 87.5,267.5 179.43,267.5
  pour cut-out: 133.5,267.194 134.5,267.194 134.5,147.5 133.5,147.5
  region net A-12V: 133.5,192.2 133.5,183.8 134.2,183.1 165.3,183.1 170.1,187.9 170.1,191.9 177,191.9 177,188.3 165.6,176.9 128.5,176.9 125.7,179.7 125.7,192.2
VCC (plane layer: these items are gaps in the copper):
  region: 55.058,209.175 49.958,209.175 49.958,207 55.058,207
  rectangle: 79.6,202.6 81.8,207.7
  rectangle: 133.5,186.848 134.5,259.3
  rectangle: 84,126.5 87,270
  rectangle: 84,126.5 99.5,129.5
  rectangle: 96.5,0 99.5,129.5
  lines w0.3: 64.2,230.3 64.2,248.3 67.7,251.8 87.6,251.8 ; 87.7,130.3 80,130.3 70.35,120.65 70.35,114.624 66.626,110.9 58.24,110.9 56.3,112.84 56.3,130.2 55.5,131 44.4,131 43.8,131.6 43.8,132.6 44.5,133.3 55.687,133.3 56.3,133.913 56.3,139.7 75.8,159.2 75.8,182.6 79.7,186.5 79.7,190.4 73.8,196.3 73.8,208.3 73.8,210.1 72.3,211.6 ; 43.5,230.3 43.5,233.6 40.7,236.4 32.1,236.4 31.2,235.5 31.2,222.033 39.6,213.633 39.6,208.8 48.8,199.6 55.4,199.6 62.7,206.9 62.7,211.6 ; 43.5,230.3 42.4,229.2 42.4,221.9 43.9,220.4 53.9,220.4 62.7,211.6 ; 43.5,230.3 78.5,230.3 78.5,217.8 72.3,211.6 ; 62.7,211.6 72.3,211.6
  lines w0.5: 89.3,153.5 89.3,153.752 134.4,153.752 134.748,154.1 146.1,154.1 146.7,153.5 155.9,153.5 157.4,155 164.848,155 167.3,152.548 167.3,129.3 147.9,109.9 147.9,94.3 ; 89.3,174.7 89.3,178.1 141,178.1 163.778,178.1 169.578,172.3 177.2,172.3 ; 89.4,147.826 95.326,147.826 105.026,147.826 106.3,149.1 112.8,149.1 114.3,150.6 118.3,150.6 121.4,147.5 134.886,147.5 135.757,148.371 146.771,148.371 147.382,148.982 155.482,148.982 157.2,150.7 158.9,150.7 160.3,149.3 160.3,136.4 150.9,127 125.6,127 121.3,122.7 121.3,82.4 130.8,72.9 130.8,55.3 ; 101.788,57 112.4,57 114.1,55.3 130.8,55.3 ; 101.838,19.25 165.85,19.25 168.2,21.6 168.2,36.1 167.6,36.7 160.3,44 160.3,49.796 ; 121.3,94.3 147.9,94.3 ; 122.8,259.4 122.8,246.8 117,241 117,233.6 122.2,228.4 122.2,217 117.85,212.65 111.1,205.9 100.9,205.9 96.7,201.7 96.7,192 98.4,190.3 109.7,190.3 112.9,187.1 133.8,187.1 ; 140.3,37.8 130.8,47.3 130.8,55.3 ; 154.9,259.4 154.9,233.6 160.1,228.4 160.1,211 152,202.9 142,202.9 140.7,201.6 140.7,192.16 146.86,186 176.1,186 177.1,187 ; 177.2,51.5 162.004,51.5 160.3,49.796 ; 177.2,71.8 162.2,71.8 155.5,65.1 155.5,53.1 ; 177.2,94.3 171,94.3 ; 147.9,94.3 171,94.3 ; 155.5,53.1 156.996,53.1 160.3,49.796 ; 155.5,53.1 154.078,51.678 146,51.678 145.222,51.678 140.6,56.3 140.6,69.5 151.4,80.3 167.4,80.3 171,83.9 171,94.3 ; 89.3,131.778 89.3,260.8 104.1,260.8 104.1,259.4 177.2,259.4 177.2,2.8 101.788,2.8 101.788,131.778 89.3,131.778
GND (plane layer: these items are gaps in the copper):
  rectangle: 133.5,160 134.5,259.3
  rectangle: 96.5,0 99.5,129.5
  rectangle: 84,126.5 99.5,129.5
  rectangle: 84,126.5 87,270
  lines w0.3: 62.1,199.4 62.1,211.6 63.1,212.6 ; 63,212.6 70.4,212.6 70.8,212.2 70.8,199.4
  lines w0.5: 89.3,148.2 89.3,147.8 105,147.8 106.3,149.1 110.9,149.1 ; 101.788,26.2 122.8,26.2 128,31.4 159.8,31.4 ; 101.788,131.788 101.788,131.778 ; 112.833,149.133 114.3,150.6 118.3,150.6 121.4,147.5 134.886,147.5 135.757,148.371 146.771,148.371 147.4,149 153.252,149 ; 140.3,37.8 130.8,47.3 130.8,72.9 121.3,82.4 121.3,122.7 125.6,127 150.9,127 160.3,136.4 160.3,149.3 158.9,150.7 157.2,150.7 155.5,149 ; 101.788,131.778 101.788,2.8 177.2,2.8 177.2,259.4 104.1,259.4 104.1,260.8 89.3,260.8 89.3,131.778 101.788,131.778

## Silkscreen, mask and mechanical layers (free items; w line width, h text height)
Top Overlay:
  drawing of 153 lines, arcs and shapes, not listed
  text "VOCM" at 56.875,269 h2.49 r180
  text "3" at 38.4,238.2 h1.2
  text "USBH" at 38,235.35 h1.2 r90
  text "2" at 38.4,235.3 h1.2
  text "PWR BTN" at 68.2,231.35 h2.49
  text "VIN" at 35.3,225.4 h2.49
  text "GND" at 35.8,222.4 h2.49
  text "Audio-Streamer" at 12.9,214.3 h4.5
  text ".ProjectName Rev. .Revision" at 11.6,210.8 h4
  text ".ProjectAuthors" at 11.6,207.5 h4
  text "USBH3" at 49,175.6 h1.2
  text "USBH2" at 49,172.6 h1.2
  text "M.2 Key A PCIe" at 8.9,169.1 h2.49
  text "PWR CTRL" at 2.35,166.221 h2.49 r270
  text "-" at 0.776,152.55 h2.49 r270
  text "+" at 0.6,150.8 h2.49 r270
  text "ENC" at 7.125,145.725 h2.49 r270
  text "MCLK" at 85.075,119.1 h1.2
  text "MCLK" at 108.475,119.1 h1.2
  text "BCLK" at 85.1,117.59 h1.2
  text "BCLK" at 108.5,117.59 h1.2
  text "LRCLK" at 85.1,116.1 h1.2
  text "LRCLK" at 108.5,116.1 h1.2
  text "DATA" at 85.1,114.6 h1.2
  text "DATA" at 108.5,114.6 h1.2
  text "RST" at 108.5,113.1 h1.2
  text "A+5V" at 164.725,112.805 h1.2
  text "A+3.3V" at 137.625,112.205 h1.2
  text "APALIS i.MX MODULE" at 16.6,111.8 h2.49
  text "I2C3" at 84.3,104.8 h1.2
  text "SCL" at 110.1,104.2 h1.2
  text "SDA" at 110.1,102.5 h1.2
  text "I2C1" at 84.7,101.6 h1.2
  text "A-12V" at 167.258,69.925 h1.2 r90
  text "A+12V" at 151.195,68.025 h1.2 r90
  text "D+3.3V" at 109.5,65.2 h1.2
  text "M.2 Key M SATA" at 67.1,46.9 h2.49
  text "VSUP" at 106.325,32 h2.49
  text "+15V" at 106.375,21.45 h2.49
  text "+15V" at 165.775,21.155 h1.2
  text "GND" at 165.775,18.655 h1.2
  text "+5V" at 87.75,18.175 h2.49
  text "GND" at 106.375,17.95 h2.49
  text "-15V" at 165.775,16.305 h1.2
  text "-15V" at 106.375,14.45 h2.49
  text "-" at 83,14.176 h2.49
  text "+" at 84.75,14 h2.49
  text "TOUCH I2C" at 43.975,8.75 h2.49
  text "DISP RGB" at 19.1,8.3 h2.49
Top Solder:
  region: 180,270 87,270 87,267.5 180,267.5
  region: 89,129.5 89,270 87,270 87,129.5
  rectangle: 87,129.5 101.5,131.5
  region: 101.5,0 101.5,131.5 99.5,131.5 99.5,0
  rectangle: 177.5,0.5 180,270
  rectangle: 99.5,0 180,2.5
  text "B" at 41.4,32.7 h12
Bottom Solder:
  rectangle: 64.75,204 68,207.167
  rectangle: 99.5,0 180,2.5
  rectangle: 177.5,0 180,270
  region: 101.5,0.5 101.5,131.5 99.5,131.5 99.5,0.5
  rectangle: 87,129.5 101.5,131.5
  region: 89,129.5 89,270 87,270 87,129.5
  region: 180,270 87,270 87,267.5 180,267.5
Mechanical 1:
  the board outline again, w0.1

## Text inside footprints (layer, text, board x,y; h text height)
TP600: Top Overlay "GND" at 79.325,182.075 h0.75
TP601: Top Overlay "GND" at 92.1,26.375 h0.75
X1300: Top Overlay "40" at 35.3,7.8 h0.8 r180; Top Overlay "1" at 15.3,7.8 h0.8 r180
X1301: Top Overlay "1" at 46.95,18.4 h0.8 r180; Top Overlay "6" at 54.05,18.4 h0.8 r180